# Altium PCB ModemExt.PcbDoc (continued)
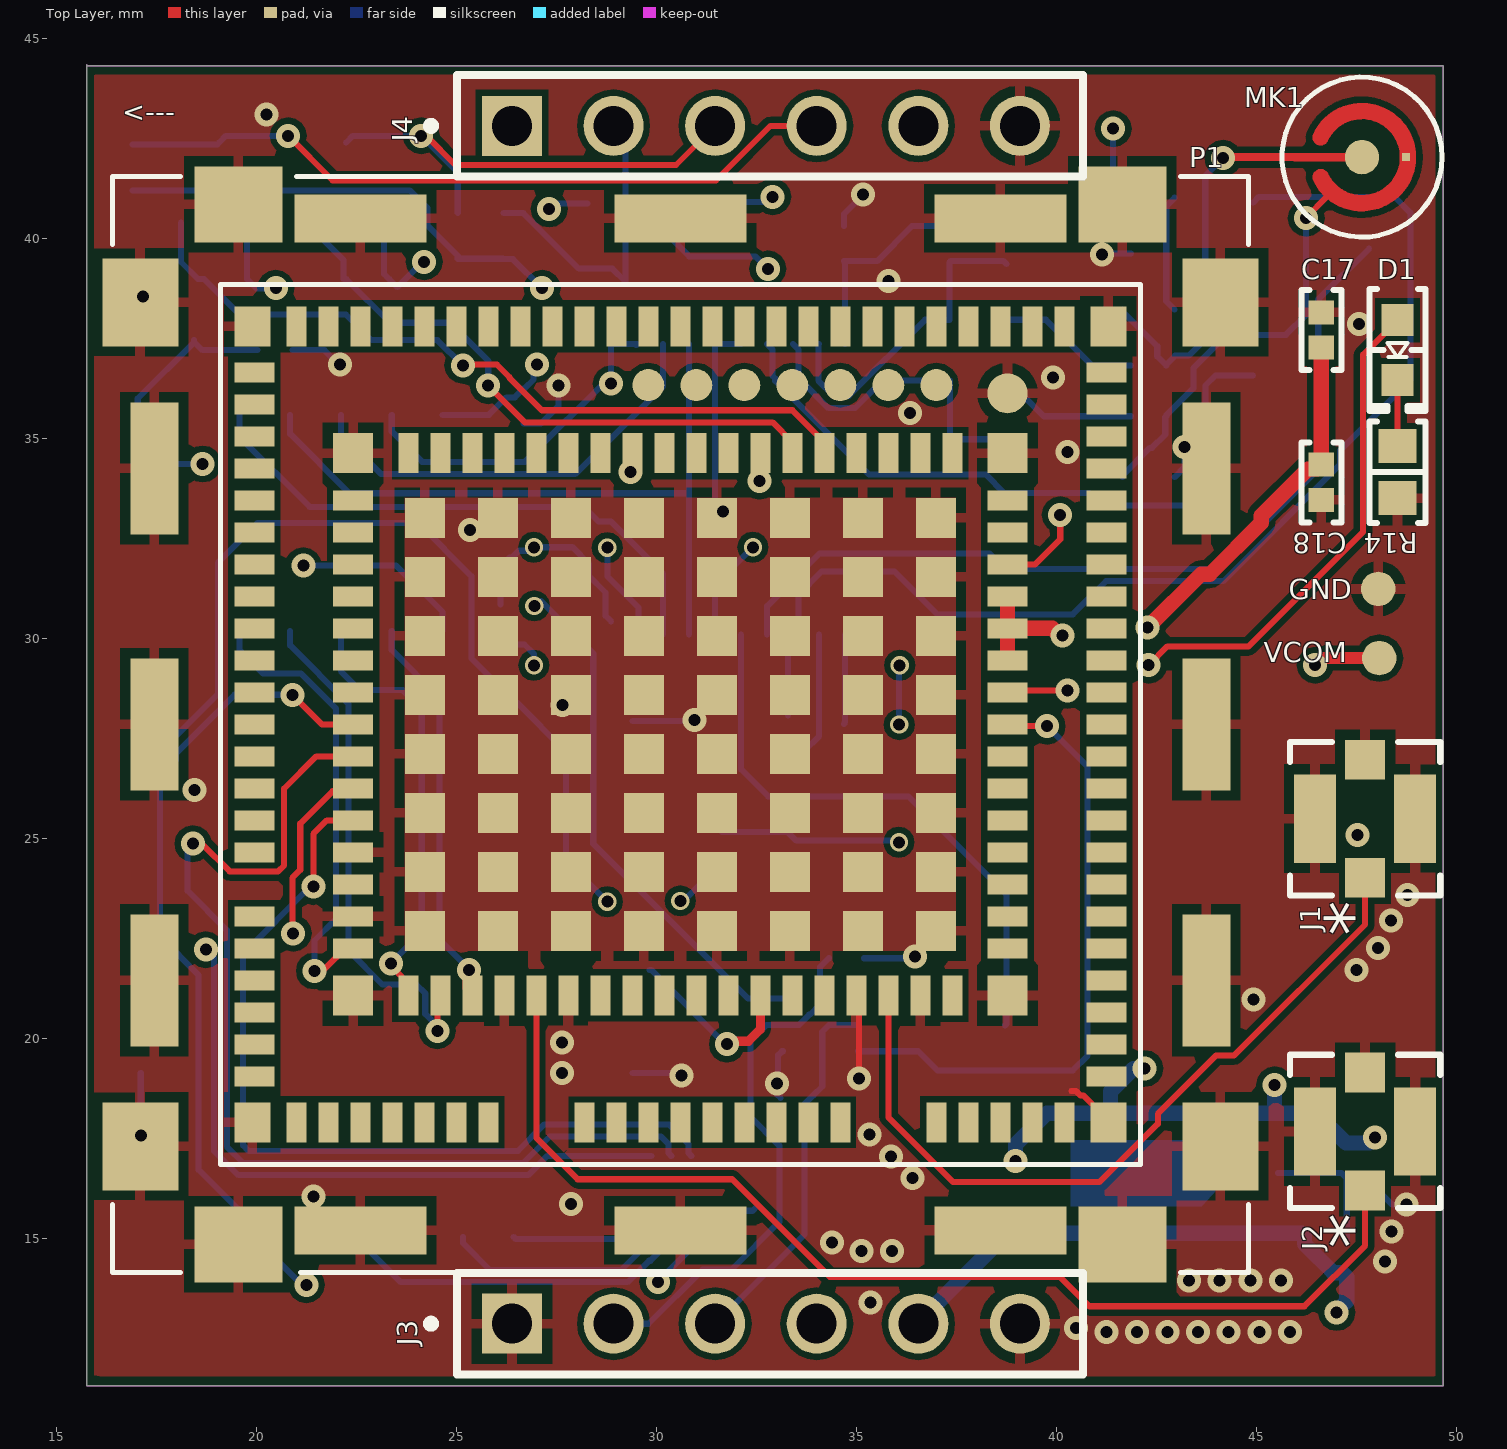
[diagram p0: Top Layer view]
## Footprints (in the part's own frame and the unit in brackets; to place one, negate y for a bottom-side part, rotate by r counter-clockwise, add the part's x,y. Pads: shape width x height; smd on the part's side, far side on the other; paste and mask are expansions set on the pad) (continued)
  rect 1x0.5 smd paste-1: 19(8.18,-5.6) 20(8.18,-4.8) 21(8.18,-4) 22(8.18,-3.2) 23(8.18,-2.4) 24(8.18,-1.6) 25(8.18,-0.8) 26(8.18,0) 27(8.18,0.8) 28(8.18,1.6) 29(8.18,2.4) 30(8.18,3.2) 31(8.18,4) 32(8.18,4.8) 33(8.18,5.6) 52(-8.18,5.6) 53(-8.18,4.8) 54(-8.18,4) 55(-8.18,3.2) 56(-8.18,2.4) 57(-8.18,1.6) 58(-8.18,0.8) 59(-8.18,0) 60(-8.18,-0.8) 61(-8.18,-1.6) 62(-8.18,-2.4) 63(-8.18,-3.2) 64(-8.18,-4) 65(-8.18,-4.8) 66(-8.18,-5.6) 96(10.65,-8.8) 97(10.65,-8) 98(10.65,-7.2) 99(10.65,-6.4) 100(10.65,-5.6) 101(10.65,-4.8) 102(10.65,-4) 103(10.65,-3.2) 104(10.65,-2.4) 105(10.65,-1.6) 106(10.65,-0.8) 107(10.65,0) 108(10.65,0.8) 109(10.65,1.6) 110(10.65,2.4) 111(10.65,3.2) 113(10.65,4.8) 114(10.65,5.6) 115(10.65,6.4) 116(10.65,7.2) 117(10.65,8) 118(10.65,8.8) 144(-10.65,8.8) 145(-10.65,8) 146(-10.65,7.2) 147(-10.65,6.4) 148(-10.65,5.6) 149(-10.65,4.8) 150(-10.65,4) 151(-10.65,3.2) 152(-10.65,2.4) 153(-10.65,1.6) 154(-10.65,0.8) 155(-10.65,0) 156(-10.65,-0.8) 157(-10.65,-1.6) 158(-10.65,-2.4) 159(-10.65,-3.2) 160(-10.65,-4) 161(-10.65,-4.8) 162(-10.65,-5.6) 163(-10.65,-6.4) 164(-10.65,-7.2) 165(-10.65,-8) 166(-10.65,-8.8)
  rect 1x1 smd paste-1: 67(-8.18,-6.78) 68(8.18,-6.78) 69(8.18,6.78) 70(-8.18,6.78) 171(-6.388,-5.162) 172(-6.388,-3.688) 173(-6.388,-2.213) 174(-6.388,-0.737) 175(-6.388,0.737) 176(-6.388,2.213) 177(-6.388,3.688) 178(-6.388,5.162) 179(-4.563,5.162) 180(-2.738,5.162) 181(-0.913,5.162) 182(0.913,5.162) 183(2.738,5.162) 184(4.563,5.162) 185(6.388,5.162) 186(6.388,3.688) 187(6.388,2.213) 188(6.388,0.737) 189(6.388,-0.737) 190(6.388,-2.213) 191(6.388,-3.688) 192(6.388,-5.162) 193(4.563,-5.162) 194(2.738,-5.162) 195(0.913,-5.162) 196(-0.913,-5.162) 197(-2.738,-5.162) 198(-4.563,-5.162) 199(-4.563,-3.688) 200(-4.563,-2.213) 201(-4.563,-0.737) 202(-4.563,0.737) 203(-4.563,2.213) 204(-4.563,3.688) 205(-2.738,3.688) 206(-0.913,3.688) 207(0.913,3.688) 208(2.738,3.688) 209(4.563,3.688) 210(4.563,2.213) 211(4.563,0.737) 212(4.563,-0.737) 213(4.563,-2.213) 214(4.563,-3.688) 215(2.738,-3.688) 216(0.913,-3.688) 217(-0.913,-3.688) 218(-2.738,-3.688) 219(-2.738,-2.213) 220(-2.738,-0.737) 221(-2.738,0.737) 222(-2.738,2.213) 223(-0.913,2.213) 224(0.913,2.213) 225(2.738,2.213) 226(2.738,0.737) 227(2.738,-0.737) 228(2.738,-2.213) 229(0.913,-2.213) 230(-0.913,-2.213) 231(-0.913,-0.737) 232(-0.913,0.737) 233(0.913,0.737) 234(0.913,-0.737)
  rect 0.9x1 smd paste-1: 167(-10.7,-9.95) 168(10.7,-9.95) 169(10.7,9.95) 170(-10.7,9.95)
  round 0.8 smd paste-1: 236(-6.4,-8.48) 237(-5.2,-8.48) 238(-4,-8.48) 239(-2.8,-8.48) 240(-1.6,-8.48) 241(-0.4,-8.48) 242(0.8,-8.48)
  rect 2.2x1.9 smd paste-2: P1(-11.05,-13) P2(11.05,-13) P5(11.05,13) P6(-11.05,13)
  rect 1.9x2.2 smd paste-2: P3(13.5,-10.55) P4(13.5,10.55) P7(-13.5,10.55) P8(-13.5,-10.55)
  rect 3.3x1.2 smd paste-3: P9(-8,-12.65) P10(0,-12.65) P11(8,-12.65) P15(8,12.65) P16(0,12.65) P17(-8,12.65)
  rect 1.2x3.3 smd paste-3: P12(13.15,-6.4) P13(13.15,0) P14(13.15,6.4) P18(-13.15,6.4) P19(-13.15,0) P20(-13.15,-6.4)
  round 1 smd paste-1: PM1(-8.18,-8.275)
  silkscreen extent -14.2,-13.7 14.2,13.7, body extent -14.17,-13.73 14.23,13.67, height 6.88
SOT89-5_ONS [mil]
  rect 20x66.87 smd paste+0 mask+0: 1(-59.06,-82.44) 3(59.06,-82.44) 4(59.06,82.44) 5(-59.06,82.44)
  rect 22x66.87 smd paste+0 mask+0: 2(0,-82.44)
  Top Layer region: 11,-49 -11,-49 -11,-27 -32.48,-7.48 -32.48,121.78 -10.98,121.78 10.98,121.78 32.48,121.78 32.48,-7.48 11,-27
  silkscreen extent -143,-95 94,54, body extent -89,-108 89,108, height 65
SOT363 [mil]
  rect 46x14 smd: 1(-37,26) 2(-37,0) 3(-37,-26) 4(37,-26) 5(37,0) 6(37,26)
  silkscreen extent -37,-43 27,46, body extent -41,-39 41,39, height 39
SPKR_CDS-13138-SMT-TR [mm]
  rect 1.8x3.2 smd: DL1(-5.7,4.35) DL2(5.7,4.35) M(5.7,-4.35) P(-5.7,-4.35)
  silkscreen extent -6.5,-7.39 6.5,6.5, body extent -6.55,-6.47 6.45,6.53, height 4
SSOP20_MC_MCH [mil]
  rect 65x17 smd paste+0 mask+0: 1(-143,115.16) 2(-143,89.57) 3(-143,63.98) 4(-143,38.39) 5(-143,12.8) 6(-143,-12.8) 7(-143,-38.39) 8(-143,-63.98) 9(-143,-89.57) 10(-143,-115.16) 11(143,-115.16) 12(143,-89.57) 13(143,-63.98) 14(143,-38.39) 15(143,-12.8) 16(143,12.8) 17(143,38.39) 18(143,63.98) 19(143,89.57) 20(143,115.16)
  silkscreen extent -115,-152 115,152, body extent -161,-146 162,148, height 79
"TI SOIC-14 D" [mm] "SOP, 14-Leads, Body 8.65x3.90mm, Pitch 1.27mm, IPC Medium Density"
  oval 1.55x0.6 smd: 1(-2.7,3.81) 2(-2.7,2.54) 3(-2.7,1.27) 4(-2.7,0) 5(-2.7,-1.27) 6(-2.7,-2.54) 7(-2.7,-3.81) 8(2.7,-3.81) 9(2.7,-2.54) 10(2.7,-1.27) 11(2.7,0) 12(2.7,1.27) 13(2.7,2.54) 14(2.7,3.81)
  silkscreen extent -2.85,-4.4 1.6,4.79, body extent -3.01,-4.33 3.01,4.33, height 1.65

## Part data
C1 C2 C3 C4 C5 C6 C7 C8 C9 C10 C11 C12 C13 C15 C16 C17 C18: library part GRM155R61A225ME95D, "CAP CER 2.2UF 10V X5R 0402 / grm155r61a", Capacitance=2.2µF, Device Package="0402 (1005 Metric)", Manufacturer="Murata Electronics", Operating Temperature="-55°C ~ 85°C", Supplier Part Number 1=490-10452-1-ND, Temperature Coefficient=X5R, Tolerance=±20%, Voltage - Rated=10V, Applications="General Purpose", ComponentLink1Description=Datasheet, ComponentLink1URL=https://search.murata.co.jp/Ceramy/image/img/A01X/G101/ENG/GRM155R61A225ME95-01.pdf, ComponentLink2Description="DigiKey Link", ComponentLink2URL=http://digikey.com/product-detail/en/murata-electronics/GRM155R61A225ME95D/490-10452-1-ND/5026362, LastUpdated="4/1/2020 11:56:49 PM", Lifecycle Status=Active, Minimum Order=1, Mounting Type="Surface Mount, MLCC", Package / Case="0402 (1005 Metric)", Packaging=TapeAndReel, PartId=7450, Part Number=GRM155R61A225ME95D, Part Status=Active, Price=0.02, Series=GRM, Size / Dimension="0.039\" L x 0.020\" W (1.00mm x 0.50mm)", Supplier 1=DigiKey, Thickness (Max)="0.022\" (0.55mm)"
C14: library part GRM155R61A225ME95D, "CAP CER 2.2UF 10V X5R 0402 / grm155r61a", Device Package="0402 (1005 Metric)", Manufacturer="Murata Electronics", Operating Temperature="-55°C ~ 85°C", Supplier Part Number 1=490-10452-1-ND, Temperature Coefficient=X5R, Tolerance=±20%, Voltage - Rated=10V, Applications="General Purpose", Capacitance=2.2µF, ComponentLink1Description=Datasheet, ComponentLink1URL=https://search.murata.co.jp/Ceramy/image/img/A01X/G101/ENG/GRM155R61A225ME95-01.pdf, ComponentLink2Description="DigiKey Link", ComponentLink2URL=http://digikey.com/product-detail/en/murata-electronics/GRM155R61A225ME95D/490-10452-1-ND/5026362, LastUpdated="4/1/2020 11:56:49 PM", Lifecycle Status=Active, Minimum Order=1, Mounting Type="Surface Mount, MLCC", Package / Case="0402 (1005 Metric)", Packaging=TapeAndReel, PartId=7450, Part Number=GRM155R61A225ME95D, Part Status=Active, Price=0.02, Series=GRM, Size / Dimension="0.039\" L x 0.020\" W (1.00mm x 0.50mm)", Supplier 1=DigiKey, Thickness (Max)="0.022\" (0.55mm)"
D1: library part XZFBB53W-1, "LED BLUE CLEAR 2SMD", Current - Test=20mA, Device Package="0603 (1608 Metric)", Lens Color=Colorless, Manufacturer=SunLED, Millicandela Rating=178mcd, Supplier Device Package=2-SMD, Supplier Part Number 1=1497-1310-1-ND, Voltage - Forward (Vf) (Typ)=3.3V, Color=Blue, ComponentLink1Description=Datasheet, ComponentLink1URL=https://www.sunledusa.com/products/spec/XZFBB53W-1.pdf, ComponentLink2Description="DigiKey Link", ComponentLink2URL=http://digikey.com/product-detail/en/sunled/XZFBB53W-1/1497-1310-1-ND/6615742, Configuration=Standard, Height (Max)=0.85mm, LastUpdated="1/21/2020 3:11:01 AM", Lens Size="1.20mm x 0.80mm", Lens Style="Rectangle with Flat Top", Lens Transparency=Clear, Lifecycle Status=Active, Minimum Order=1, Mounting Type="Surface Mount", Package / Case="0603 (1608 Metric)", Packaging=TapeAndReel, PartId=782, Part Number=XZFBB53W-1, Part Status=Active, Price=0.15, Series=-, Size / Dimension="1.60mm L x 0.80mm W", Supplier 1=DigiKey, Viewing Angle=130°, Wavelength - Dominant=470nm, Wavelength - Peak=465nm
J1 J2: library part 73412-0114, "No Description Available", Built_By=EMA_Cory, Copyright="Copyright (C) 2018 Accelerated Designs. All rights reserved", Datasheet=https://www.digikey.com/products/en?keywords=73412-0114, Manufacturer_Part_Number=73412-0114, RefDes=RefDes, SourceLibrary=Molex_2020-01-22, Type=DEV, Vendor="Molex Connector Corporation"
J5: library part SIM8060-6-1-14-00-A, "CONN SIM NANO HINGED 6P W/SWITCH", Manufacturer=GCT, Supplier Part Number 1=2073-SIM8060-6-1-14-00-ACT-ND, Card Type="NANO SIM", ComponentLink1Description=Datasheet, ComponentLink1URL=https://gct.co/files/drawings/sim8060.pdf, ComponentLink2Description="DigiKey Link", ComponentLink2URL=http://digikey.com/product-detail/en/gct/SIM8060-6-1-14-00-A/2073-SIM8060-6-1-14-00-ACT-ND/10127236, Connector Type="Connector and Ejector", Contact Finish=Gold, Contact Finish Thickness="1.00µin (0.025µm)", Height Above Board="0.056\" (1.42mm)", Insertion, Removal Method="Hinged Lid", LastUpdated="3/30/2020 3:26:01 PM", Lifecycle Status=Active, Minimum Order=1, Mounting Feature="Normal, Standard - Top", Mounting Type="Surface Mount, Right Angle", Number of Positions=6, Packaging=TapeAndReel, Part Number=SIM8060-6-1-14-00-A, Part Status=Active, Price=0.70, Series=SIM8060, Supplier 1=DigiKey
LS1: "13 mm, Square Frame, 0.7 W, 8 Ohm, Samarium Cobalt Magnet, Mylar Cone", Package="CUI Inc.", Availability=Unavailable, CUI_purchase_URL=https://www.cuidevices.com/product/audio/speakers/miniature-_10-mm~40-mm_/cds-13138-smt?utm_source=snapeda.com&utm_medium=referral&utm_campaign=snapedaBOM, MF="CUI Devices", MP=CDS-13138-SMT-TR, Price=None, SnapEDA_Link=https://www.snapeda.com/parts/CDS-13138-SMT-TR/CUI%20Devices/view-part/2770915/?ref=snap
MK1: "4.0 mm, Omnidirectional, Surface Mount, 2 Vdc, Electret Condenser Microphone", Availability=Unavailable, MF="CUI Devices", MP=CMEJ-0413-42-SMT-TR, Price=None, SnapEDA_Link=https://www.snapeda.com/parts/CMEJ-0413-42-SMT-TR/CUI%20Devices/view-part/3660757/?ref=snap
P1: "WP SNAP IN SOCKET BASE FRAME 157 / HL7650", Package=None, Availability=Unavailable, MF="Sierra Wireless", MP="WP SNAP-IN BASE", Price=None, SnapEDA_Link=https://www.snapeda.com/parts/WP%20SNAP-IN%20BASE/Sierra%20Wireless/view-part/1245533/?ref=snap
Q1 Q2 Q3: "MOSFET N-CH 50V 220MA SOT-23", Current - Continuous Drain (Id) @ 25°C="220mA (Ta)", Device Package="TO-236-3, SC-59, SOT-23-3", Drain to Source Voltage (Vdss)=50V, Drive Voltage (Max Rds On,  Min Rds On)="4.5V, 10V", Input Capacitance (Ciss) (Max) @ Vds="27pF @ 25V", Manufacturer="ON Semiconductor", Operating Temperature="-55°C ~ 150°C (TJ)", Power Dissipation (Max)="360mW (Ta)", Supplier Device Package=SOT-23-3, Supplier Part Number 1=BSS138CT-ND, ComponentLink1Description=Datasheet, ComponentLink1URL=https://www.onsemi.com/pub/Collateral/BSS138-D.PDF, ComponentLink2Description="DigiKey Link", ComponentLink2URL=http://digikey.com/product-detail/en/on-semiconductor/BSS138/BSS138CT-ND/244294, FET Type=N-Channel, Gate Charge (Qg) (Max) @ Vgs="2.4nC @ 10V", LastUpdated="1/21/2020 4:01:12 AM", Lifecycle Status=Active, Minimum Order=1, Mounting Type="Surface Mount", Package / Case="TO-236-3, SC-59, SOT-23-3", Packaging=TapeAndReel, Part Number=BSS138, Part Status=Active, Price=0.05, Rds On (Max) @ Id, Vgs="3.5Ohm @ 220mA, 10V", Series=-, Supplier 1=DigiKey, Technology="MOSFET (Metal Oxide)", Vgs (Max)=±20V, Vgs(th) (Max) @ Id="1.5V @ 1mA"
R1 R2 R3 R4 R5 R6 R7 R8 R9 R14 R17 R18: library part AC0603FR-0710KL, "RES SMD 10K OHM 1% 1/10W 0603", Device Package="0603 (1608 Metric)", Manufacturer=Yageo, Operating Temperature="-55°C ~ 155°C", Power (Watts)="0.1W, 1/10W", Ratings=AEC-Q200, Resistance="10 kOhms", Supplier Device Package=0603, Supplier Part Number 1=311-10KLDCT-ND, Temperature Coefficient=±100ppm/°C, Tolerance=±1%, ComponentLink1Description=Datasheet, ComponentLink1URL=https://www.yageo.com/upload/media/product/productsearch/datasheet/rchip/PYu-AC_51_RoHS_L_7.pdf, ComponentLink2Description="DigiKey Link", ComponentLink2URL=http://digikey.com/product-detail/en/yageo/AC0603FR-0710KL/311-10KLDCT-ND/2828135, Composition="Thick Film", Features="Automotive AEC-Q200, Moisture Resistant", Height - Seated (Max)="0.022\" (0.55mm)", LastUpdated="1/21/2020 12:19:55 AM", Lifecycle Status=Active, Minimum Order=1, Number of Terminations=2, Package / Case="0603 (1608 Metric)", Packaging=CutTape, PartId=17347, Part Number=AC0603FR-0710KL, Part Status=Active, Price=0.10, Series=AC, Size / Dimension="0.063\" L x 0.031\" W (1.60mm x 0.80mm)", Supplier 1=DigiKey
R10 R11 R12 R13 R15 R16: library part RP73PF1E10KBTD, "RES 10K OHM 0.1% 1/10W 0402", Device Package="0402 (1005 Metric)", Manufacturer="TE Connectivity Passive Product", Operating Temperature="-55°C ~ 155°C", Power (Watts)="0.1W, 1/10W", Resistance="10 kOhms", Supplier Device Package=0402, Supplier Part Number 1=A127415CT-ND, Temperature Coefficient=±25ppm/°C, Tolerance=±0.1%, ComponentLink1Description=Datasheet, ComponentLink1URL=https://www.te.com/commerce/DocumentDelivery/DDEController?Action=srchrtrv&DocNm=1773272&DocType=DS&DocLang=English, ComponentLink2Description="DigiKey Link", ComponentLink2URL=http://digikey.com/product-detail/en/te-connectivity-passive-product/RP73PF1E10KBTD/A127415CT-ND/8261381, Composition="Thin Film", Height - Seated (Max)="0.014\" (0.35mm)", LastUpdated="1/21/2020 12:06:03 AM", Lifecycle Status=Active, Minimum Order=1, Number of Terminations=2, Package / Case="0402 (1005 Metric)", Packaging=TapeAndReel, PartId=2434, Part Number=RP73PF1E10KBTD, Part Status=Active, Price=0.08, Series="RP73P, Holsworthy", Size / Dimension="0.039\" L x 0.020\" W (1.00mm x 0.50mm)", Supplier 1=DigiKey
U1: library part "Audio Codec", "No Description Available", Manufacturer_Part_Number=PIC16F685-E/SS, Built_By=EMA_Jessica, Copyright="Copyright (C) 2018 Accelerated Designs. All rights reserved", RefDes=RefDes, SourceLibrary=Microchip_2019-08-23_9, Type=DEV, Vendor=Microchip
U2: "IC TRNSLTR BIDIRECTIONAL 14SOIC", Device Package="14-SOIC (0.154\", 3.90mm Width)", Manufacturer="Texas Instruments", Operating Temperature="-40°C ~ 85°C (TA)", Supplier Device Package=14-SOIC, Supplier Part Number 1=296-21928-1-ND, Voltage - VCCA="1.2V ~ 3.6V", Voltage - VCCB="1.65V ~ 5.5V", Channels per Circuit=4, Channel Type=Bidirectional, ComponentLink1Description=Datasheet, ComponentLink1URL=http://www.ti.com/general/docs/suppproductinfo.tsp?distId=10&gotoUrl=http%3A%2F%2Fwww.ti.com%2Flit%2Fgpn%2Ftxb0104, ComponentLink2Description="DigiKey Link", ComponentLink2URL=http://digikey.com/product-detail/en/texas-instruments/TXB0104DR/296-21928-1-ND/1629281, Data Rate=100Mbps, Features="Auto-Direction Sensing", LastUpdated="5/13/2020 5:06:13 PM", Lifecycle Status=Active, Minimum Order=1, Mounting Type="Surface Mount", Number of Circuits=1, Output Type="Tri-State, Non-Inverted", Package / Case="14-SOIC (0.154\", 3.90mm Width)", Packaging=TapeAndReel, Part Number=TXB0104DR, Part Status=Active, Price=0.54, Series=-, Supplier 1=DigiKey, Translator Type="Voltage Level"
U3: library part MUN5214DW1T1G, "MUN5214DW1T1G / 2 npn pre biased", Package="SOT-363 NXP Semiconductors", MF=MUN5214DW1T1G, MP=MUN5214DW1T1G
U4: library part TPD3F303DPVR, "EMI Filter with Integrated VCC Clamp for SIM Card Interface", Manufacturer="Texas Instruments", PACKAGE_DESIGNATOR=DPV, Copyright="Copyright (C) 2018 Accelerated Designs. All rights reserved", Datasheet_URL=http://www.ti.com/lit/gpn/TPD3F303, FAMILY_NAME="EMI Solution", GENERIC_PART_NUMBER=TPD3F303, INDUSTRY_STD_PKG_TYPE=USON, Manufacturer_Part_Number=TPD3F303DPVR, PIN_COUNT=8, RefDes=RefDes, Type=DEV, Vendor="Texas Instruments"
U5: library part RP115H331D-T1-FE, "digikey pn:2129-RP115H331D-T1-FECT-ND", Manufacturer_Part_Number=NCP694H33HT1G, Built_By=EMA_Jessica, Copyright="Copyright (C) 2016 Accelerated Designs. All rights reserved", RefDes=RefDes, SourceLibrary=ON_Semiconductor_2018-03-21, Type=DEV, Vendor="ON Semiconductor"
L1: Code_IEC=1005, Code_JEITA=0402, LatestRevisionDate=29-May-2009, LatestRevisionNote="IPC-7351 Footprint Added.", PackageDescription="Chip Inductor", PackageReference=0402-A, Published=8-Jun-2000, Publisher="Altium Limited"
RV1 RV2: SnapEDA_Link=https://www.snapeda.com/parts/3313J-1-503E/Bourns/view-part/327155/?ref=snap

## Free pads (board coordinates)
  round 0.864 smd far side: 4(29.769,21.768)
  round 0.864 smd: 4(48.057,29.515) 5(48.031,31.242)

## Via types
v1: diameter 0.6, hole 0.3, Top Layer to Bottom Layer, tented both sides, 97 vias
v2: diameter 0.457, hole 0.3, Top Layer to Bottom Layer, tented both sides, 10 vias

## Nets (pads, with @x,y where several pads share a name; then routed paths per layer and width w, separated by ;. In a path a pad name is that pad's centre, name@x,y a point inside that pad or via, vN(x,y) a via of type N, cw(c..) or ccw(c..) an arc to the next point about the centre after c; other vN are vias at no path point)
AO: C4.1 R3.1 RV1.1 U1.17 | length 17.2
  Bottom Layer w0.152: U1.17 32.891,37.224 32.891,36.566 32.956,36.5 32.956,36.443 35.296,34.104 C4.1 38.221,34.104 38.685,33.64 R3.1 40.814,33.64 41.121,33.332 43.461,33.332 43.713,33.585 43.713,36.331 43.966,36.583 RV1.1
E_MDM_IO1: J4.1
E_MDM_IO2: J4.2 Q3.3 R16.1 | length 7.9
  Bottom Layer w0.152: R16.1 26.659,40.64 28.047,39.252 28.886,39.252 29.21,38.928 Q3.3 29.21,42.523 J4.2
E_MDM_IO3: C11.2 J3.3 U3.2 | length 9.4
  Bottom Layer w0.152: J3.3 33.683,15.101 33.683,18.356 C11.2 34.131,18.803 34.131,20.173 34.303,20.345 U3.2
E_MDM_IO4: C12.2 J3.2 U3.5 | length 13.4
  Bottom Layer w0.152: J3.2 29.788,12.872 31.14,14.224 31.863,14.224 33.061,15.421 33.061,17.326 32.334,18.053 32.334,19.957 32.468,20.091 32.487,20.091 32.741,20.345 U3.5 33.553,20.345 33.807,20.599 33.826,20.599 34.073,20.847 34.073,21.785 C12.2
E_UART_RX: J4.4 Q2.3 R13.1 | length 18.2
  Top Layer w0.152: v1(20.777,42.57) 21.895,41.453 31.472,41.453 32.838,42.819 J4.4
  Bottom Layer w0.152: R13.1 19.006,42.358 Q2.3 19.218,42.57 v1(20.777,42.57)
E_UART_TX: J4.3 Q1.3 R11.1 | length 12.3
  Top Layer w0.152: v1(24.105,42.57) 24.232,42.57 24.962,41.84 30.475,41.84 J4.3
  Bottom Layer w0.152: Q1.3 22.393,42.57 v1(24.105,42.57) 25.019,41.656 R11.1
E_VCC: J4.5 R11.2 R13.2 R16.2 | length 11.5
  Bottom Layer w0.152: R13.2 23.816,41.208 24.257,40.767 24.257,40.334 25.019,39.572 R11.2 26.155,39.497 R16.2 26.398,39.49 v1(27.127,38.76)
E_VCOM: C13.2 J3.5 pad.4@48.057,29.515 U5.3 U5.4 | length 31.3
  Top Layer w0.3: v1(46.457,29.337) 46.484,29.337 46.661,29.515 pad.4@48.057,29.515
  POWER w0.5: v1(46.457,29.337) 46.457,15.646 46.99,15.113 v1(46.99,13.154)
  Bottom Layer w0.381: J3.5 36.534,12.912 38.759,15.137 U5.4 U5.3 46.123,15.137 46.187,15.074 46.187,14.87 46.91,14.147 47.135,14.147 C13.2 47.244,13.437 46.99,13.183 v1(46.99,13.154)
GND: C1.1 C2.2 C7.2 C8.2 C9.1 C10.2 C11.1 C12.1 C13.1 C14.1 C15.1 C16.1 C17.1 C18.1 J1.2 J1.3 J1.4 J2.2 J2.3 J2.4 J3.1 J3.6 J4.6 J5.C5 J5.S P1.30 P1.32 P1.37 P1.39 P1.48 P1.50 P1.67 P1.68 P1.69 P1.70 P1.167 P1.168 P1.169 P1.170 P1.171 P1.172 P1.173 P1.174 P1.175 P1.176 P1.177 P1.178 P1.179 P1.180 P1.181 P1.182 P1.183 P1.184 P1.185 P1.186 P1.187 P1.188 P1.189 P1.190 P1.191 P1.192 P1.193 P1.194 P1.195 P1.196 P1.197 P1.198 P1.199 P1.200 P1.201 P1.202 P1.203 P1.204 P1.205 P1.206 P1.207 P1.208 P1.209 P1.210 P1.211 P1.212 P1.213 P1.214 P1.215 P1.216 P1.217 P1.218 P1.219 P1.220 P1.221 P1.222 P1.223 P1.224 P1.225 P1.226 P1.227 P1.228 P1.229 P1.230 P1.231 P1.232 P1.233 P1.234 P1.P1 P1.P2 P1.P3 P1.P4 P1.P5 P1.P6 P1.P7 P1.P8 P1.P9 P1.P10 P1.P11 P1.P12 P1.P13 P1.P14 P1.P15 P1.P16 P1.P17 P1.P18 P1.P19 P1.P20 P1.PM1 pad.5 R8.2 R9.2 R14.1 R18.1 U1.15 U1.16 U2.7 U3.1 U3.4 U4.9 U5.2 | length 29.5
  Top Layer w0.152: P1.48 35.077,20.984 35.052,20.958 v1(35.052,18.999) ; 40.361,18.694 40.47,18.694 40.585,18.579 40.662,18.579 41.283,17.958 P1.170
  Bottom Layer w0.152: J5.S@17.091,19.144 17.094,19.141 v1(17.094,17.577) ; R9.2 17.145,37.48 v1(17.145,38.557) ; C9.1 21.681,37.211 22.036,36.855 v1(22.073,36.855) ; J5.C5 21.412,15.12 v1(21.412,16.053) ; v1(25.324,32.715) 26.289,32.715 26.205,32.8 C1.1 ; C10.2 27.094,35.374 27.534,35.814 v1(27.534,36.322) ; J5.S@29.391,19.144 30.538,19.144 v1(30.607,19.075) ; J5.S@29.391,27.944 30.916,27.944 v1(30.937,27.965) ; v1(31.648,33.172) 31.648,33.294 31.451,33.491 U1.15 U1.16 ; v1(32.995,18.872) 32.995,18.612 C11.1@33.09,18.517 ; C11.1 33.027,19.583 33.129,19.685 U3.4 ; C7.2 34.671,40.615 v1(35.154,41.097) ; C12.1 36.41,22.009 v1(36.449,22.047) ; v1(41.123,39.599) 41.148,39.624 C2.2 ; R8.2 43.185,34.28 v1(43.185,34.788) ; U5.2 47.117,16.637 C14.1 ; C13.1 C14.1 ; v1(48.743,15.85) 48.387,15.85 47.727,16.51 C14.1
  other v1: 41.233,12.662 41.998,12.662 42.764,12.662 43.529,12.662 44.294,12.662 45.059,12.662 45.824,12.662 40.476,12.768 35.332,13.399 43.302,13.957 44.067,13.957 44.832,13.957 45.597,13.957 48.199,14.429 35.114,14.694 35.879,14.694 34.378,14.902 48.363,15.176 27.846,15.871 36.387,16.516 35.846,17.057 35.309,17.602 27.63,19.142 27.63,19.907 44.916,20.983 47.482,21.718 48.023,22.259 48.349,22.952 48.761,23.596 47.513,25.085 18.44,26.213 27.635,28.346 40.259,34.671 36.322,35.636 39.903,36.525 47.549,37.871 35.789,38.938 20.244,43.104
NetC2_1: C2.1 R1.1 R2.2 | length 3
  Bottom Layer w0.152: R1.1 42.731,38.437 C2.1 42.731,40.811 R2.2
NetC3_1: C3.1 R4.2 | length 3.6
  Bottom Layer w0.152: R4.2 38.786,36.449 39.675,35.56 C3.1
NetC3_2: C3.2 MK1.N R8.1 | length 10
  Top Layer w0.152: v1(46.228,40.513) 46.228,40.528 46.742,41.042
  Bottom Layer w0.152: R8.1 41.641,34.086 42.323,34.768 42.373,34.768 42.706,35.101 42.706,35.535 C3.2 42.731,35.58 43.408,36.257 43.408,36.76 44.241,37.592 45.72,37.592 46.228,38.1 v1(46.228,40.513)
NetC4_2: C4.2 R3.2 R4.1 U1.18 | length 8.2
  Bottom Layer w0.152: U1.18 33.541,37.224 33.541,36.563 33.606,36.498 33.606,36.443 34.287,35.763 34.95,35.763 35.636,36.449 R4.1 37.323,34.999 C4.2 38.691,34.984 R3.2
NetC5_1: C5.1 R5.2 | length 3.7
  Bottom Layer w0.152: R5.2 39.721,37.973 40.864,36.83 C5.1
NetC5_2: C5.2 MK1.P R1.2 | length 9.6
  Top Layer w0.203: v1(44.151,42.012) 44.176,42.037 45.925,42.037
  Bottom Layer w0.152: R1.2 41.641,38.177 42.507,37.311 42.507,37.054 C5.2 42.731,36.85 42.955,37.074 43.291,37.074 43.707,37.489 43.707,41.567 v1(44.151,42.012)
NetC6_1: C6.1 C7.1 R6.1 U1.20 | length 6.7
  Bottom Layer w0.152: U1.20 34.701,39.408 C7.1 35.501,39.438 36.381,40.318 38.333,40.318 38.685,40.67 R6.1
NetC6_2: C6.2 R5.1 R6.2 U1.19 | length 8
  Bottom Layer w0.152: U1.19 34.036,37.348 34.036,36.449 34.417,36.068 34.798,36.068 36.703,37.973 R5.1 37.308,39.408 C6.2 38.667,39.438 R6.2
NetC8_1: C8.1 U1.1 | length 2.2
  Bottom Layer w0.152: C8.1 34.701,27.902 U1.1
NetD1_1: D1.1 P1.60 | length 16.2
  Top Layer w0.152: P1.60 38.807,28.702 v1(40.259,28.702) ; v1(42.291,29.337) 42.761,29.807 44.793,29.807 47.654,32.668 47.654,37.101 D1.1
  GND w0.152: v1(40.259,28.702) 40.894,29.337 v1(42.291,29.337)
NetD1_2: D1.2 R14.2 | length 1.6
  Top Layer w0.152: R14.2 D1.2
NetJ5_C2: J5.C2 U4.6 | length 9.7
  Bottom Layer w0.152: J5.C2 22.606,14.894 23.589,13.911 29.267,13.911 29.804,14.448 29.835,14.448 30.783,15.396 30.783,15.623 U4.6
NetJ5_C3: J5.C3 U4.7 | length 6.4
  Bottom Layer w0.152: J5.C3 25.146,14.894 25.825,14.215 29.103,14.215 30.283,15.396 30.283,15.623 U4.7
NetJ5_C7: J5.C7 U4.8 | length 3.8
  Bottom Layer w0.152: J5.C7 26.474,14.986 29.25,14.986 29.857,15.593 U4.8
NetJ5_SW: J5.SW R17.1 | length 26
  GND w0.152: v2@28.778,23.419 28.792,23.433 30.573,23.433 v2(30.583,23.443)
  Bottom Layer w0.152: J5.SW 17.567,27.468 17.88,27.468 19.029,28.617 19.029,31.907 20.015,32.893 24.028,32.893 25.36,31.562 25.36,29.504 26.457,28.407 26.491,28.407 27.724,27.175 27.724,24.457 v2(28.758,23.423) ; v2(30.583,23.443) 30.667,23.443 31.354,24.13 R17.1
NetLS1_M: LS1.M RV2.2 U1.4 | length 22.3
  Bottom Layer w0.152: U1.4 32.751,30.814 34.068,32.131 38.307,32.131 LS1.M 38.713,31.745 44.04,31.745 46.533,34.238 46.533,38.479 RV2.2
NetLS1_P: LS1.P U1.5 | length 14.6
  Bottom Layer w0.152: U1.5 32.101,26.732 32.777,26.056 36.287,26.056 38.735,23.608 38.735,20.367 LS1.P
NetR7_1: R7.1 U1.2 | length 3.7
  Bottom Layer w0.152: R7.1 33.324,26.782 33.673,27.131 33.673,27.181 34.051,27.559 U1.2
NetR7_2: R7.2 RV1.2 RV2.1 U1.3 | length 30.1
  Bottom Layer w0.152: R7.2 33.274,29.972 U1.3 33.541,30.239 33.541,31.102 34.112,31.674 35.941,31.674 37.008,30.606 40.398,30.606 41.232,31.44 44.167,31.44 47.081,34.355 47.081,34.709 RV1.2 48.834,36.462 48.834,40.646 48.438,41.042 45.046,41.042 RV2.1
PCM_CLK: P1.36 U2.2 | length 10.1
  Top Layer w0.152: v1(25.298,21.717) 25.209,21.717 25.209,21.252 P1.36
  Bottom Layer w0.152: U2.2 23.368,29.718 24.562,28.524 24.562,22.489 25.298,21.752 v1(25.298,21.717)
PCM_CLK_3V3: U1.9 U1.11 U1.12 U2.13 | length 16.2
  GND w0.152: v2(28.758,32.273) 29.891,33.406 29.891,35.057 28.854,36.093 v1(28.854,36.373)
  Bottom Layer w0.152: U2.13 23.368,35.179 24.13,34.417 26.695,34.417 28.851,36.573 U1.11 U1.12 U1.12@29.482,37.345 ; v2(28.758,32.273) 28.758,31.557 29.54,30.774 U1.9@29.54,30.138 ; U1.9 U1.9@29.54,30.138 ; U1.9@29.591,30.189 U1.9@29.54,30.138
PCM_IN: P1.34 U2.3 | length 11.1
  Top Layer w0.152: v1(23.355,21.881) 23.355,21.811 23.399,21.768 23.783,21.383 P1.34
  Bottom Layer w0.152: U2.3 22.098,29.189 22.573,28.714 23.644,28.714 24.12,28.239 24.12,22.66 23.355,21.896 v1(23.355,21.881)
PCM_IN_3V3: U1.13 U2.12 | length 10.9
  Bottom Layer w0.152: U2.12 22.098,35.118 23.104,34.112 27.954,34.112 30.151,36.309 U1.13
PCM_OUT: P1.33 U2.5 | length 11.6
  Top Layer w0.152: v1(21.438,21.692) 21.649,21.692 22.309,22.352 P1.33
  Bottom Layer w0.152: U2.5 19.558,29.718 20.151,29.125 21.104,29.125 21.98,28.25 21.98,22.996 21.438,22.454 v1(21.438,21.692)
PCM_OUT_3V3: U1.8 U2.10 | length 14.1
  Bottom Layer w0.152: U2.10 19.558,35.052 21.315,33.295 28.173,33.295 28.545,32.923 28.855,32.923 30.151,31.627 U1.8
PCM_SYNC: P1.35 U2.4 | length 12.9
  Top Layer w0.152: v1(24.511,20.193) 24.511,21.006 P1.35
  Bottom Layer w0.152: U2.4 20.828,29.832 22.284,28.376 22.284,22.205 23.136,21.353 23.986,21.353 24.206,21.133 24.206,20.62 24.511,20.314 v1(24.511,20.193)
PCM_SYNC_3V3: U1.7 U1.14 U2.11 | length 18.3
  Bottom Layer w0.152: U2.11 20.828,35.118 22.312,33.634 30.801,33.634 ; U1.7 30.801,31.81 30.801,33.634 ; U1.14 30.801,33.634
PWR_ON_N: P1.59 U3.3 | length 15.8
  Top Layer w0.152: P1.59 38.808,27.813 v1(39.751,27.813)
  Bottom Layer w0.152: U3.3 36.53,19.685 37.008,19.206 40.398,19.206 40.767,19.576 40.767,26.797 v1(39.751,27.813)
RESET_IN_N: P1.11 U3.6 | length 17.5
  GND w0.152: v2(26.933,30.818) 26.933,31.251 29.337,33.655 v1(29.337,34.163)
  Bottom Layer w0.152: v2(26.933,30.818) 26.983,30.818 27.102,30.937 28.407,29.632 28.407,24.872 32.273,21.006 U3.6
RF_GPS: J2.1 P1.38 | length 28
  Top Layer w0.152: P1.38 26.983,17.518 28.016,16.485 31.88,16.485 34.318,14.046 40.072,14.046 40.808,13.31 46.184,13.31 47.701,14.827 J2.1
RF_MAIN: J1.1 P1.49 | length 19.6
  Top Layer w0.152: P1.49 35.783,18.035 37.405,16.413 41.061,16.413 42.521,17.873 42.521,18.12 43.981,19.579 44.428,19.579 47.701,22.853 J1.1@47.701,23.963
UART_DTR: P1.7 Q3.2 R15.1 | length 10
  Top Layer w0.152: v1(32.563,33.934) 32.563,34.321 32.625,34.384 32.477,34.532 P1.7
  GND w0.152: v1(32.563,33.934) 32.563,34.024 32.773,34.234 v1(32.773,39.243)
  Bottom Layer w0.152: Q3.2 30.226,40.812 30.226,40.132 30.801,39.557 R15.1 32.459,39.557 v1(32.773,39.243) v1@32.893,39.243
UART_RX: P1.5 Q2.2 R12.1 | length 19.2
  Top Layer w0.152: v1(25.146,36.83) 25.167,36.851 26,36.851 26.31,36.541 26.31,36.522 27.123,35.709 33.385,35.709 34.183,34.911 P1.5
  Bottom Layer w0.152: Q2.2 18.1,39.416 18.527,38.989 R12.1 18.677,38.989 19.566,38.1 22.225,38.1 22.86,37.465 24.511,37.465 v1(25.146,36.83)
UART_TX: P1.6 Q1.2 R10.1 | length 15.3
  Top Layer w0.152: v1(25.781,36.322) 26.698,35.405 32.89,35.405 33.383,34.911 P1.6
  Bottom Layer w0.152: Q1.2 21.275,40.352 22.158,39.469 R10.1 22.233,38.989 23.325,37.897 24.827,37.897 25.781,36.943 v1(25.781,36.322)
UIM1_CLK: P1.27 U4.2 | length 26.5
  Top Layer w0.152: v1(18.4,24.877) 18.619,24.877 19.316,24.179 20.528,24.179 20.676,24.327 20.676,26.249 21.484,27.058 P1.27
  Bottom Layer w0.152: v1(18.4,24.877) 18.267,24.744 18.267,23.693 19.248,22.712 19.248,17.302 19.66,16.891 26.652,16.891 27.313,17.552 30.102,17.552 30.283,17.37 30.283,17.143 U4.2
UIM1_DATA: P1.28 U4.1 | length 23.6
  Top Layer w0.152: v1(20.904,22.631) 20.884,22.652 20.884,24.019 21.082,24.217 21.082,25.375 21.895,26.187 22.377,26.187 P1.28@22.454,26.264
  GND w0.152: v1(18.72,22.225) 19.158,22.663 21.023,22.663 v1@21.054,22.694
  Bottom Layer w0.152: v1(18.72,22.225) 18.923,22.022 18.923,17.197 19.534,16.586 26.778,16.586 27.262,17.069 U4.1
UIM1_DET: C16.2 P1.64 R17.2 R18.2 | length 17.1
  Top Layer w0.152: P1.64 39.455,31.858 40.081,32.484 v1(40.081,33.096)
  GND w0.152: v2(36.048,24.908) 36.055,24.915 v2(36.055,27.851) ; v2(36.068,29.333) 36.953,29.333 36.957,29.337 40.081,32.461 v1(40.081,33.096)
  Bottom Layer w0.152: R17.2 R18.2 33.484,24.951 C16.2 36.005,24.951 v2(36.048,24.908) ; v2(36.055,27.851) 36.055,29.193 36.068,29.207 v2(36.068,29.333)
UIM1_RESET: P1.29 U4.3 | length 21.7
  Top Layer w0.152: v1(21.412,23.8) 21.412,25.121 21.75,25.458 P1.29
  Bottom Layer w0.152: v1(21.412,23.8) 21.325,23.8 19.652,22.127 19.652,17.329 19.786,17.195 26.526,17.195 27.187,17.857 30.297,17.857 30.783,17.37 30.783,17.143 U4.3
UIM1_VCC: C15.2 J5.C1 P1.26 U4.5 | length 32.7
  Top Layer w0.152: v1(20.885,28.596) 21.034,28.448 21.624,27.858 P1.26
  GND w0.152: v1(21.234,13.843) 21.311,13.919 v1(30.023,13.919)
  Bottom Layer w0.152: v1(20.885,28.596) 19.44,28.596 17.97,27.126 17.97,26.949 17.577,26.557 17.577,22.555 18.542,21.59 18.542,16.718 20.066,15.194 J5.C1 20.066,14.894 21.117,13.843 v1(21.234,13.843) ; v1(30.023,13.919) 31.283,15.18 31.283,15.623 U4.5 32.393,15.697 C15.2
VCC3.3: C14.2 C17.2 C18.2 L1.1 P1.61 P1.62 P1.63 U5.1 U5.5 | length 29.3
  Top Layer w0.381: P1.61 P1.62 ; P1.63 P1.62 ; v1(40.132,30.074) 40.073,30.074 39.888,30.258 P1.62 ; v1(42.266,30.277) 43.597,31.609 43.818,31.609 45.108,32.898 45.108,33.073 46.275,34.24 46.5,34.24 C18.2 C17.2
  GND w0.381: v1(40.132,30.074) 41.47,30.074 41.631,30.235 42.224,30.235 v1(42.266,30.277)
  POWER w0.254: 38.583,18.11 38.964,17.729 v1(38.964,16.942)
  Bottom Layer w0.152: L1.1 26.687,29.853 26.923,29.618 v2(26.923,29.333)
  Bottom Layer w0.381: v1(38.964,16.942) 38.964,17.348 39.752,18.137 U5.5 ; v1(42.189,19.253) 41.91,19.253 41.34,18.683 U5.5 ; v1(45.441,18.847) 45.441,18.2 U5.1@45.504,18.137 ; v1(47.955,17.526) 47.819,17.39 C14.2 47.224,17.39 46.482,18.132 45.533,18.132 U5.1 U5.1@45.504,18.137 ; U5.5 U5.1@45.504,18.137
VCCA3.3: C1.2 C10.1 L1.2 R2.1 U1.6 U1.10 U2.14 | length 12.6
  Bottom Layer w0.152: U2.14 25.8,35.593 26.237,36.03 26.446,36.03 C10.1 26.69,36.254 26.914,36.478 26.914,36.648 27,36.734 v1(27,36.855) ; L1.2 26.086,31.725 C1.2@26.111,31.75 ; C1.2 26.31,32.025 26.373,32.025 26.546,32.198 26.838,32.198 v2@26.899,32.258 ; v2(26.924,32.283) 27.889,32.283 28.296,31.877 28.296,31.571 28.713,31.153 28.713,30.571 U1.10@28.854,30.429 ; U1.6 31.451,31.336 v2(32.398,32.283) ; v1(41.402,42.748) 41.402,41.3 R2.1@41.656,41.046
VGPIO: C9.2 P1.45 pad.4@29.769,21.768 Q1.1 Q2.1 Q3.1 R9.1 R10.2 R12.2 R15.2 U2.1 U2.8 | length 40
  Top Layer w0.229: v1(31.75,19.863) 31.821,19.934 32.284,19.934 32.586,20.235 32.586,21.075 P1.45
  POWER w0.635: v1(21.158,31.826) 21.158,29.934 31.229,19.863 v1(31.75,19.863)
  Bottom Layer w0.152: U2.8 U2.8@17.018,36.003 ; R9.1 R9.1@18.43,37.415 ; v1(18.644,34.366) 17.77,34.366 17.018,35.118 U2.8@17.018,36.003 ; Q2.1 19.752,40.154 R12.2 19.981,38.76 v1(20.472,38.76) ; C9.2 18.634,37.211 R9.1@18.43,37.415 ; v1(21.158,31.826) 23.48,31.826 24.638,30.668 U2.1 ; Q1.1 23.175,39.122 R10.2 23.511,38.786 24.146,39.421 v1(24.181,39.421) ; v1(27.305,40.742) v1@27.305,40.878 ; Q3.1 v1@27.305,40.878 ; pad.4@29.82,21.717 29.858,21.717 31.712,19.863 v1(31.75,19.863) ; R15.2 31.75,40.782 31.887,40.919 32.62,40.919 32.747,41.046 v1(32.893,41.046) ; U2.8@17.018,36.003 R9.1@18.43,37.415 ; v1@27.305,40.878 27.302,40.878 27.305,40.881 v1@27.305,40.878
pads on no net: J3.4 J5.C6 LS1.DL1 LS1.DL2 MK1.7 MK1.11 P1.1 P1.2 P1.3 P1.4 P1.8 P1.9 P1.10 P1.12 P1.13 P1.14 P1.15 P1.16 P1.17 P1.18 P1.19 P1.20 P1.21 P1.22 P1.23 P1.24 P1.25 P1.31 P1.40 P1.41 P1.42 P1.43 P1.44 P1.46 P1.47 P1.51 P1.52 P1.53 P1.54 P1.55 P1.56 P1.57 P1.58 P1.65 P1.66 P1.71 P1.72 P1.73 P1.74 P1.75 P1.76 P1.77 P1.78 P1.79 P1.80 P1.81 P1.82 P1.83 P1.84 P1.85 P1.86 P1.87 P1.88 P1.89 P1.90 P1.91 P1.92 P1.93 P1.94 P1.95 P1.96 P1.97 P1.98 P1.99 P1.100 P1.101 P1.102 P1.103 P1.104 P1.105 P1.106 P1.107 P1.108 P1.109 P1.110 P1.111 P1.113 P1.114 P1.115 P1.116 P1.117 P1.118 P1.119 P1.120 P1.121 P1.122 P1.123 P1.124 P1.125 P1.128 P1.129 P1.130 P1.131 P1.132 P1.133 P1.134 P1.135 P1.136 P1.139 P1.140 P1.141 P1.142 P1.143 P1.144 P1.145 P1.146 P1.147 P1.148 P1.149 P1.150 P1.151 P1.152 P1.153 P1.154 P1.155 P1.156 P1.157 P1.158 P1.159 P1.160 P1.161 P1.162 P1.163 P1.164 P1.165 P1.166 P1.236 P1.237 P1.238 P1.239 P1.240 P1.241 P1.242 RV1.3 RV2.3 U2.6 U2.9 U4.4

## Polygon pours and split planes (outlines as drawn)
VCCA3.3 on POWER "VCCA3.3_L03_P018" (solid, remove dead copper, pour order 18): 38.659,43.891 48.92,43.891 48.92,31.369 48.438,30.886 23.393,30.886 23.393,36.754 24.46,37.821 33.655,37.821 38.176,42.342 38.176,43.739
VCC3.3 on POWER "VCC3.3_L03_P022" (solid, remove dead copper, pour order 22): 49.022,30.582 16.561,30.582 16.434,30.455 16.434,12.243 16.739,11.938 48.87,11.938 49.022,12.09
VGPIO on POWER "VGPIO_L03_P028" (solid, remove dead copper, pour order 28): 34.849,42.24 32.461,39.853 24.206,39.853 24.206,38.027 23.139,36.96 23.139,30.886 16.434,30.886 16.434,41.656 17.043,42.266 34.595,42.266
E_VCC on POWER "E_VCC_L03_P000" (solid, remove dead copper, pour order 0): 35.23,43.815 35.23,42.266 32.614,39.649 24.486,39.649 24.486,37.973 33.579,37.973 37.998,42.393 37.998,43.536 37.719,43.815
VCCA3.3 on POWER "VCCA3.3_L03_P014" (solid, remove dead copper, pour order 14): 35.585,46.863
GND on Top Layer "GND_L01_P034" (solid, remove dead copper, pour order 34): 15.926,44.145 15.926,11.582 15.9,11.557 49.428,11.557 49.454,11.532 49.454,44.069 49.428,44.094 15.951,44.094
GND on Top Layer "GND_L01_P030" (solid, remove dead copper, pour order 30): 23.698,33.528 23.698,22.2 37.465,22.2 37.465,33.528
GND on GND "GND_L02_P024" (solid, remove dead copper, pour order 24): 15.951,44.196 49.301,44.196 49.428,44.069 49.428,11.811 49.301,11.684 15.9,11.684
GND on Bottom Layer "GND_L04_P032" (solid, remove dead copper, pour order 32): 15.926,44.145 15.926,11.582 15.9,11.557 49.428,11.557 49.454,11.532 49.454,44.069 49.428,44.094 15.951,44.094

## Keep-outs
Keep-Out Layer:
  the board outline again, w0.025

## Silkscreen, mask and mechanical layers (free items; w line width, h text height)
Top Overlay:
  text "<---" at 16.637,42.926 h0.5
  text "GND" at 45.8,30.984 h0.5
  text "VCOM" at 45.165,29.409 h0.5
Bottom Overlay:
  text "+VCC" at 35.433,41.402 h0.5 r180
  text "+VGPIO" at 30.632,19.99 h0.5 r270
  text "+VCOM" at 37.643,14.478 h0.5
  text "GND" at 39.751,14.402 h0.5
  text "GND" at 23.266,12.446 h0.5 r180

## Text inside footprints (layer, text, board x,y; h text height)
J1: Top Overlay "*" at 47.955,22.577 h1.27 r90; Mechanical 13 "*" at 48.336,24.457 h1.27 r90
J2: Top Overlay "*" at 47.955,14.756 h1.27 r90; Mechanical 13 "*" at 48.336,16.635 h1.27 r90
U1: Mechanical 13 "*" at 34.176,31.001 h1.27 r270; Bottom Overlay "*" at 35.006,29.527 h1.27 r270